# Altium PCB PCB1.PcbDoc (part 1 of 2)
Units mm, origin at the board's own origin, x right, y up, seen from the top; angles counter-clockwise.
Board outline 450.34 x 151.61 mm, 2 copper layers (Top Layer, Bottom Layer); 123 components, 109 nets, 481 pads, 178 vias.
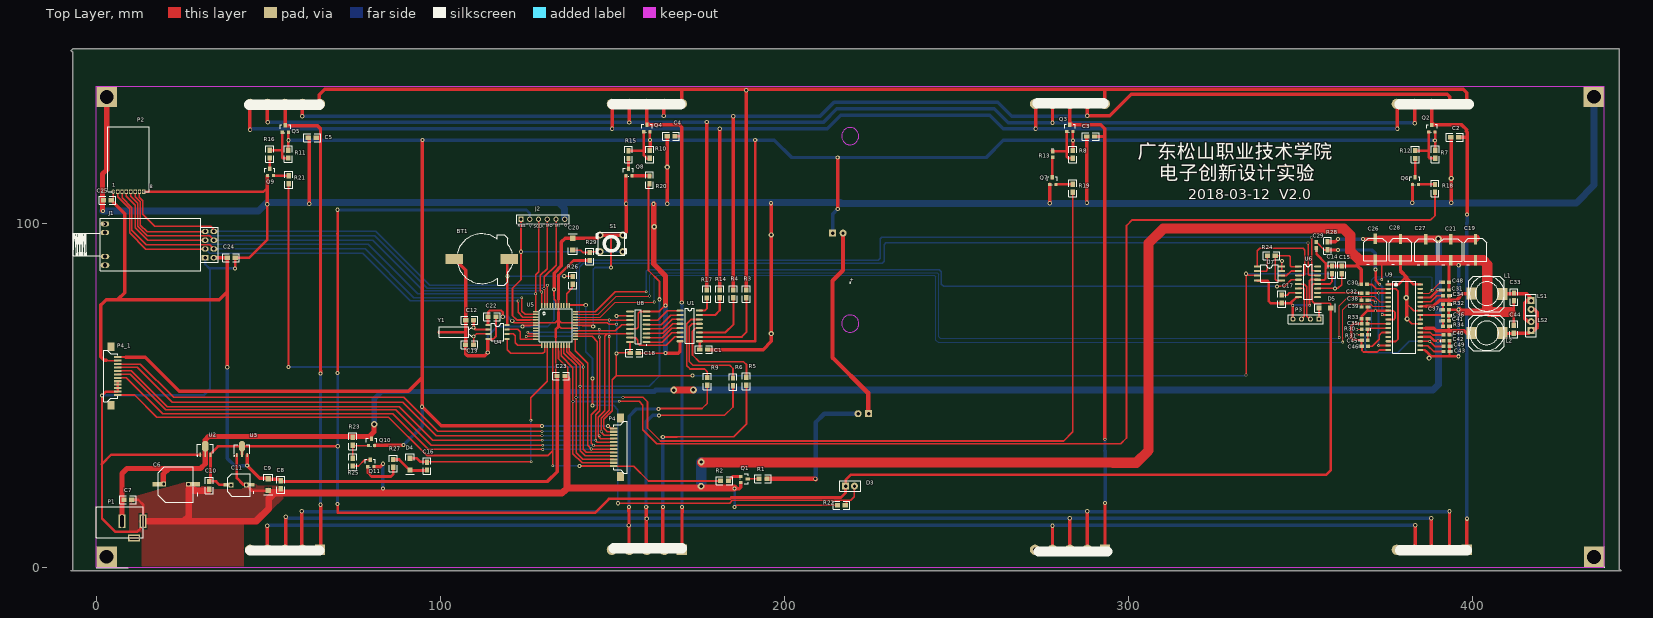
[diagram p0: Top Layer view]
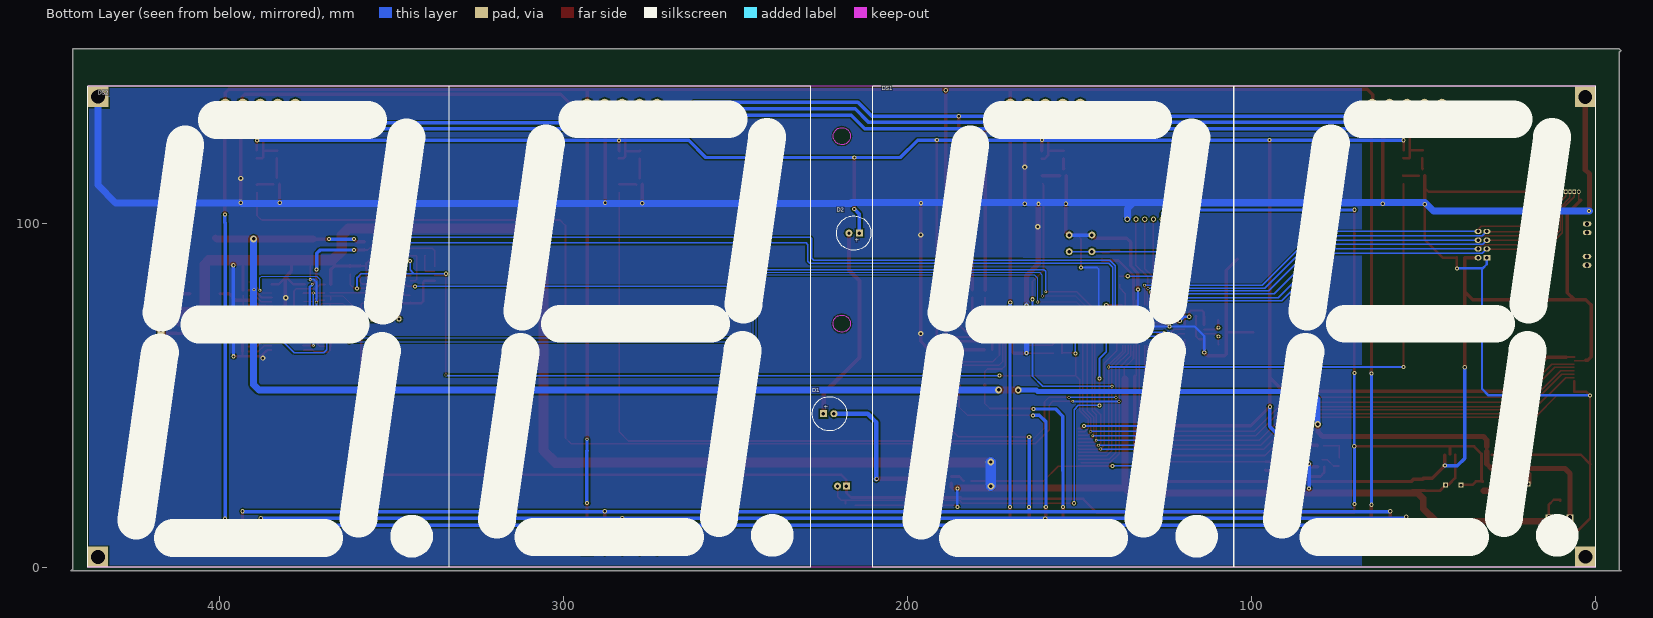
[diagram p1: Bottom Layer view, seen from below]

## Layer stack, top to bottom
Top Layer: signal copper 0.0356
Dielectric: dielectric 0.32, FR-4, Dk 4.8
Bottom Layer: signal copper 0.0356

## Board outline
-6.793,-0.991 -6.793,149.657 -7.275,150.139 -6.793,150.622 442.584,150.622 442.584,-0.508 443.067,-0.991 -7.275,-0.991

## Design rules (kind name [scope] priority, off if disabled: settings)
Clearance [All] p1: gap=0.254
PolygonConnect [All] p1: connectstyle=Relief reliefconductorwidth=0.254 reliefentries=4 polygonreliefangle="90 Angle"
RoutingVias [All] p1: holewidth=0.6 width=1.2 viastyle="Through Hole" minholewidth=0.5 minwidth=0.8 maxholewidth=1 maxwidth=2
SilkscreenOverComponentPads [IsPad] p1: minsilkscreentomaskgap=0.254
SolderMaskExpansion [All] p1: expansion=0.102
Width [All] p1: maxlimit=3 minlimit=0.254 preferedwidth=0.762 minimp=50.000000 maximp=50.000000 favimp=50.000000
27 further rules are at their usual default settings.

## Components (designator, comment, footprint, x,y, rotation, side; value= is the part's Value field where it differs from the comment)
BT1 "Battery" 1220电池底座 112.054,89.611 r0 top
C1 "0.1" 0805 175.438,63.297 r0 top
C2 "0.1" 0805 393.613,124.943 r0 top
C3 "0.1" 0805 287.847,125.197 r0 top
C4 "0.1" 0805 165.953,125.247 r0 top
C5 "0.1" 0805 61.686,124.866 r0 top
C6 "Cap Pol1" ?#1 28.259,18.872 r90 top
C7 "Cap Semi" 0805 10.403,19.66 r180 top
C8 "Cap Semi" 0805 53.659,22.86 r90 top
C9 "Cap Pol1" 1206 50.027,25.781 r180 top
C10 "Cap Semi" 0805 32.933,22.682 r90 top
C11 "Cap Pol1" ?#2 44.82,20.676 r90 top
C12 "Cap" 0805 107.406,71.806 r0 top
C13 "Cap" 0805 107.355,64.719 r0 top
C14 "1u" 0805 359.105,85.293 r90 top
C15 "1u" 0805 361.95,85.293 r90 top
C16 "Cap Semi" 0805 96.153,28.296 r90 top
C17 "1u" 0805 344.5,79.121 r270 top
C18 "0.1" 0805 157.531,62.281 r180 top
C19 "100U/35V" 220UF16V贴片 397.485,89.002 r0 top
C20 "" 1206 138.47,92.227 r0 top
C21 "Cap Pol1" 220UF16V贴片 390.271,88.951 r0 top
C22 "0.1" 0805 113.908,72.796 r0 top
C23 "0.1" 0805 133.949,55.601 r0 top
C24 "0.1" 0805 38.125,90.018 r0 top
C25 "0.1" 0805 4.445,106.655 r180 top
C26 "Cap Pol1" 220UF16V贴片 368.376,89.103 r0 top
C27 "Cap Pol1" 220UF16V贴片 383.083,88.951 r0 top
C28 "Cap Pol1" 220UF16V贴片 375.691,89.052 r0 top
C29 "0.1" 0603 354.584,93.675 r90 top
C30 "0.1" 0603 368.452,82.22 r0 top
C31 "0.1" 0603 392.227,80.594 r0 top
C32 "0.1" 0603 368.529,79.705 r0 top
C33 "0.1" 0805 411.963,79.731 r270 top
C34 "0.1" 0603 392.201,78.994 r180 top
C35 "0.1" 0603 368.579,70.79 r0 top
C36 "0.1" 0603 392.227,73.152 r180 top
C37 "0.1" 0603 392.201,74.879 r0 top
C38 "0.1" 0603 368.503,77.648 r180 top
C39 "0.1" 0603 368.529,75.667 r180 top
C40 "0.1" 0603 392.328,67.539 r180 top
C41 "0.1" 0603 392.201,71.628 r0 top
C42 "0.1" 0603 392.354,65.811 r0 top
C43 "0.1" 0603 392.354,62.738 r180 top
C44 "0.1" 0805 411.937,70.333 r270 top
C45 "0.1" 0603 368.656,65.964 r0 top
C46 "0.1" 0603 368.681,64.262 r0 top
C48 "0.1" 0603 392.227,82.829 r0 top
C49 "0.1" 0603 392.354,64.237 r180 top
D1 "LED0" LED#1 223.941,44.653 r180 bottom
D2 "LED0" LED#2 214.365,97.13 r0 bottom
D3 "Photo Sen" 2排针 217.819,23.622 r0 top
D4 "1N4148" 1206 91.226,31.699 r180 top
D5 "SS14" 1206 355.321,75.336 r270 top
DS1 "Dpy Amber-CA" 5英寸数码管 170.194,5.131 r180 bottom
DS2 "Dpy Amber-CA" 5英寸数码管 398.261,5.131 r180 bottom
J1 "无线" 无线模块 31.699,89.992 r90 top
J2 "Header 6" HDR1X6 123.484,101.168 r0 top
L1 "220" CDRH104 404.089,79.553 r0 top
L2 "220" CDRH104 404.089,68.148 r0 top
LS1 "8Ω/10W" 2排针 416.941,77.521 r270 top
LS2 "8Ω/10W" 2排针 416.941,68.859 r90 top
P1 "Header 2" 电源插头 13.629,13.411 r0 top
P2 "nrf24l01" 24L01 5.004,109.144 r0 top
P3 "USB" HDR1X4 355.346,72.136 r180 top
P4 "Header 12" FPC-12P1MM 150.393,40.411 r270 top
P4_1 "Header 12" FPC-12P1MM 6.299,50.089 r90 top
Q1 "9013" 9013贴片（专用） 189.332,25.679 r270 top
Q2 "AO3401" SOP-23 387.212,126.517 r0 top
Q3 "AD3401" SOP-23 282.031,126.619 r0 top
Q4 "AO3401" SOP-23 159.145,126.568 r0 top
Q5 "AO3401" SOP-23 54.091,126.441 r0 top
Q6 "9013" 9013贴片（专用） 383.25,113.309 r0 top
Q7 "9013" 9013贴片（专用） 277.865,113.309 r0 top
Q8 "9013" 9013贴片（专用） 154.726,115.824 r0 top
Q9 "9013" 9013贴片（专用） 50.535,115.849 r0 top
Q10 "AO3401" SOP-23 79.135,35.382 r0 top
Q11 "9013" 9013贴片（专用） 79.72,31.293 r0 top
R1 "Res2" 0805 194.92,25.806 r180 top
R2 "Res2" 0805 181.458,25.171 r0 top
R3 "100" 0805 188.965,80.62 r270 top
R4 "100" 0805 185.155,80.62 r270 top
R5 "100" 0805 188.965,52.959 r90 top
R6 "100" 0805 185.053,52.781 r90 top
R7 "20K" 0805 389.066,121.183 r270 top
R8 "20K" 0805 283.783,121.133 r270 top
R9 "100" 0805 177.56,52.908 r90 top
R10 "20K" 0805 160.873,121.158 r270 top
R11 "20K" 0805 55.869,121.209 r270 top
R12 "24K" 0805 383.275,121.107 r270 top
R13 "24K" 0603 277.927,119.99 r270 top
R14 "100" 0805 181.243,80.62 r270 top
R15 "24K" 0805 154.7,121.056 r270 top
R16 "24K" 0805 50.459,121.209 r270 top
R17 "100" 0805 177.459,80.569 r270 top
R18 "2k7" 0805 389.041,111.252 r270 top
R19 "2k7" 0805 283.783,111.303 r270 top
R20 "2k7" 0805 160.796,113.741 r270 top
R21 "2k7" 0805 55.945,113.792 r270 top
R22 "" 0805 215.392,18.009 r0 top
R23 "Res2" 0805 74.614,35.509 r90 top
R24 "100R" 0805 340.36,90.576 r0 top
R25 "Res2" 0805 74.563,29.464 r90 top
R26 "20K" 0805 138.506,82.271 r90 top
R27 "Res2" 0805 86.349,29.083 r90 top
R28 "10" 0805 357.81,94.59 r270 top
R29 "" 0805 143.448,89.205 r90 top
R30 "470" 0603 368.605,69.139 r180 top
R31 "470" 0603 368.63,67.589 r180 top
R32 "10" 0603 392.201,76.403 r180 top
R33 "39K" 0603 368.529,72.263 r180 top
R34 "10" 0603 392.227,70.079 r180 top
S1 "" 4脚按键 153.049,91.491 r90 top
U1 "ULN2003A" SO-16 169.697,74.6 r0 top
U2 "HT7550" SOT89L 31.739,34.417 r90 top
U3 "HT7333" SOT89L 42.407,34.366 r90 top
U4 "DS1302（贴片）" SOP8（DS1302） 119.953,70.663 r0 top
U5 "ATMEGA 16" 44贴片（顶层） 131.256,71.349 r0 top
U6 "JQ8400-FL" SO-16 349.326,87.401 r0 top
U7 "W25QXX" W25 340.919,85.344 r0 top
U8 "MC74HC595AD" 751B-05_N 157.531,69.926 r180 top
U9 "TDA8932BT" SOIC127P1047-32L 380.086,72.695 r0 top
Y1 "32.768" 32K 109.717,67.107 r90 top

## Footprints (in the part's own frame and the unit in brackets; to place one, negate y for a bottom-side part, rotate by r counter-clockwise, add the part's x,y. Pads: shape width x height; smd on the part's side, far side on the other; paste and mask are expansions set on the pad)
2排针 [mil]
  rect 80x80 hole 39.37: 1(0,0)
  round 80 hole 39.37: 2(100,0)
  silkscreen extent -70,-60 170,60
4脚按键 [mm]
  round 2 hole 1: 1(0.254,6.604) 1(0.254,0) 2(5.08,6.604) 2(5.08,0)
  silkscreen extent -0.76,-1.02 5.84,7.62
5英寸数码管 [mm]
  rect 3x3 hole 1.2: 1(0,0) 11(105.134,0)
  round 3 hole 1.2: 2(5.08,0) 3(10.16,0) 4(15.24,0) 5(20.32,0) 6(20.32,129.54) 7(15.24,129.54) 8(10.16,129.54) 9(5.08,129.54) 10(0,129.54) 12(110.214,0) 13(115.294,0) 14(120.374,0) 15(125.454,0) 16(125.454,129.54) 17(120.374,129.54) 18(115.294,129.54) 19(110.214,129.54) 20(105.134,129.54)
  silkscreen extent -39.98,-5.08 170.16,134.65
24L01 [mm]
  oct 1x1.2 hole 0.7: 1(0,0)
  rect 1x1.2 hole 0.7: 2(1.27,0) 3(2.54,0) 4(3.81,0) 5(5.08,0) 6(6.35,0) 7(7.62,0) 8(8.89,0)
  silkscreen extent -1.56,-0.05 10.44,18.95
32K [mm]
  oval 1x1.2 hole 0.6: 1(0,0) 2(2.54,0)
  rect 1x0.5 smd: 3(1.168,10.185)
  silkscreen extent -0.25,0.53 2.77,10.01
44贴片（顶层） [mm]
  rect 1.5x0.4 smd: 1(-3.492,2.971) 2(-3.492,2.171) 3(-3.492,1.371) 4(-3.492,0.571) 5(-3.492,-0.229) 6(-3.492,-1.029) 7(-3.492,-1.829) 8(-3.492,-2.629) 9(-3.492,-3.429) 10(-3.492,-4.229) 11(-3.492,-5.029) 23(8.039,-5.029) 24(8.039,-4.229) 25(8.039,-3.429) 26(8.039,-2.629) 27(8.039,-1.829) 28(8.064,-1.029) 29(8.039,-0.229) 30(8.039,0.571) 31(8.039,1.371) 32(8.039,2.171) 33(8.039,2.971)
  rect 0.4x1.5 smd: 12(-1.727,-6.795) 13(-0.927,-6.795) 14(-0.127,-6.795) 15(0.673,-6.795) 16(1.473,-6.795) 17(2.273,-6.795) 18(3.073,-6.795) 19(3.873,-6.795) 20(4.673,-6.795) 21(5.473,-6.795) 22(6.273,-6.795) 34(6.273,4.762) 35(5.473,4.762) 36(4.673,4.762) 37(3.873,4.762) 38(3.073,4.762) 39(2.273,4.762) 40(1.473,4.762) 41(0.673,4.762) 42(-0.127,4.762) 43(-0.927,4.762) 44(-1.727,4.762)
  silkscreen extent -2.5,-5.8 7.07,3.8
220UF16V贴片 [mm]
  rect 1x3 smd: 1(3.302,6.35) 2(3.302,0.254)
  silkscreen extent 0,-1.02 6.6,6.6
0603 [mm] "Chip Capacitor; Body 1.6 x 0.8 mm (LxW typ)"
  rect 1.1x1 smd: 1(-0.85,0) 2(0.85,0)
  silkscreen extent -1.7,-0.4 -1.7,0.4
751B-05_N [mm] "SOIC, 16-Leads, Body 9.9x3.9mm, Pitch 1.27mm, IPC Medium Density"
  oval 2.2x0.6 smd: 1(-2.4,4.445) 2(-2.4,3.175) 3(-2.4,1.905) 4(-2.4,0.635) 5(-2.4,-0.635) 6(-2.4,-1.905) 7(-2.4,-3.175) 8(-2.4,-4.445) 9(2.4,-4.445) 10(2.4,-3.175) 11(2.4,-1.905) 12(2.4,-0.635) 13(2.4,0.635) 14(2.4,1.905) 15(2.4,3.175) 16(2.4,4.445)
  silkscreen extent -2.53,-5 0.9,5.42, body extent -2,-5 2,5, height 1.75
0805 [mil]
  rect 60x50 smd: 1(0,0) 2(90,0)
  silkscreen extent -50,-45 140,45
1206 [mil]
  rect 60x60 smd: 1(0,0) 2(0,135)
  silkscreen extent -50,-50 50,185
1220电池底座 [mm]
  rect 5x3 smd: 1(8,0) 2(-8,0)
  silkscreen extent -7.11,-7.62 9.02,7.3
9013贴片（专用） [mil]
  rect 36x36 smd: 1(40,-80) 2(-30,-80)
  rect 36x50 smd: 3(-2,0)
  silkscreen extent -60,-85 55,5
CDRH104 [mm]
  rect 3x3.5 smd: 1(-4.4,0) 2(4.5,-0.1)
  silkscreen extent -5.2,-5.2 5.1,5.1
FPC-12P1MM [mm]
  rect 2.5x2 smd: 0(-3,2) 0(14,2)
  rect 0.6x2.15 smd: 1(0,0) 2(1,0) 3(2,0) 4(3,0) 5(4,0) 6(5,0) 7(6,0) 8(7,0) 9(8,0) 10(9,0) 11(10,0) 12(11,0)
  silkscreen extent -2,0 13,4
HDR1X4 [mm] "Connector; Header; 4 Position"
  rect 1.5x1.5 hole 0.9: 1(0,0)
  round 1.5 hole 0.9: 2(2.54,0) 3(5.08,0) 4(7.62,0)
  silkscreen extent -1.27,-1.27 8.89,1.27
HDR1X6 [mm] "Connector; Header; 6 Position"
  rect 1.5x1.5 hole 0.9: 1(0,0)
  round 1.5 hole 0.9: 2(2.54,0) 3(5.08,0) 4(7.62,0) 5(10.16,0) 6(12.7,0)
  silkscreen extent -1.27,-1.27 13.97,1.27
LED#1 [mil]
  rect 80x80 hole 39.37: 1(-20,0)
  round 80 hole 39.37: 2(100,0)
  silkscreen extent -147,-197 247,197
LED#2 [mil]
  rect 80x80 hole 39.37: 1(-15,0)
  round 80 hole 39.37: 2(105,0)
  silkscreen extent -147,-197 247,197
SO-16 [mil]
  oval 80x24 smd: 1(0,0) 2(0,-50) 3(0,-100) 4(0,-150) 5(0,-200) 6(0,-250) 7(0,-300) 8(0,-350) 9(220,-350) 10(220,-300) 11(220,-250) 12(220,-200) 13(220,-150) 14(220,-100) 15(220,-50) 16(220,0)
  silkscreen extent 60,-375 160,25
SOIC127P1047-32L [mm] "SOIC, 32-Leads, Body 20.8x7.5mm, Pitch 1.27mm, IPC High Density"
  oval 1.7x0.6 smd: 1(-4.65,9.525) 2(-4.65,8.255) 3(-4.65,6.985) 4(-4.65,5.715) 5(-4.65,4.445) 6(-4.65,3.175) 7(-4.65,1.905) 8(-4.65,0.635) 9(-4.65,-0.635) 10(-4.65,-1.905) 11(-4.65,-3.175) 12(-4.65,-4.445) 13(-4.65,-5.715) 14(-4.65,-6.985) 15(-4.65,-8.255) 16(-4.65,-9.525) 17(4.65,-9.525) 18(4.65,-8.255) 19(4.65,-6.985) 20(4.65,-5.715) 21(4.65,-4.445) 22(4.65,-3.175) 23(4.65,-1.905) 24(4.65,-0.635) 25(4.65,0.635) 26(4.65,1.905) 27(4.65,3.175) 28(4.65,4.445) 29(4.65,5.715) 30(4.65,6.985) 31(4.65,8.255) 32(4.65,9.525)
  silkscreen extent -4.77,-10.45 3.4,10.5, body extent -3.8,-10.47 3.8,10.47, height 2.64
SOP8（DS1302） [mm]
  rect 1.5x0.55 smd: 1(-6.096,-0.254) 2(-6.096,-1.524) 3(-6.096,-2.794) 4(-6.096,-4.318) 5(-0.508,-4.318) 6(-0.508,-2.794) 7(-0.508,-1.524) 8(-0.508,-0.254)
  silkscreen extent -5.08,-4.83 -1.52,0.25
SOP-23 [mil]
  rect 36x36 smd: 1(0,0) 2(70,0)
  rect 36x50 smd: 3(35,80)
  silkscreen extent -23,-5 95,86
SOT89L [mm] "SOT89, 3-Leads, Body 4.5x2.4 mm, Pitch 1.5mm, Lead Span 4.1mm, IPC High Density"
  rect 1.2x0.5 smd: 1(-1.7,1.5) 3(-1.7,-1.5)
  rect 1.6x0.5 smd: 2(-1.5,0)
  oct 3x1.8 smd: 2(0.8,0)
  silkscreen extent -2.07,-2.3 1.3,2.42, body extent -1.3,-2.3 1.3,2.3, height 1.6
W25 [mm]
  rect 2x0.55 smd: 1(-3.494,2.032) 2(-3.494,0.762) 3(-3.494,-0.508) 4(-3.494,-2.032) 5(3.494,-2.032) 6(3.494,-0.508) 7(3.494,0.762) 8(3.494,2.032)
  silkscreen extent -2.48,-2.47 2.51,2.53
无线模块 [mm]
  oval 1.5x2.5 hole 1.2: 0(-2.2,29.1) 0(0.34,29.1) 0(7.29,29.13) 0(9.83,29.13)
  rect 1.5x2.032 hole 1: 1(0,0)
  oval 1.5x2.032 hole 1: 2(0,-2.54) 3(2.54,0) 4(2.54,-2.54) 5(5.08,0) 6(5.08,-2.54) 7(7.62,0) 8(7.62,-2.54)
  silkscreen extent -3.81,-3.81 11.43,38.38
电源插头 [mm]
  rect 2x4 hole 1 slot 3.5 at 90 deg: 1(0,0) 2(-6.096,0)
  rect 3.5x2 hole 1 slot 3 at 0 deg: 3(-2.545,-4.85)
  silkscreen extent -13.54,-4.85 0.06,4.15
?#1 [mm]
  rect 1.3x4 smd: 1(5.334,9.906) 2(5.334,0)
  rect 1.4x1.4 hole 0.8: 1(5.359,8.611) 2(5.283,1.372)
  silkscreen extent 0,-1.27 10.41,10.16
?#2 [mm]
  rect 1.4x1.4 hole 0.8: 1(3.226,5.613) 2(3.277,1.143)
  rect 1x3 smd: 1(3.302,6.35) 2(3.302,0.254)
  silkscreen extent 0,-1.02 6.6,6.6

## Part data
BT1: "Multicell Battery"
C1 C2 C3 C4 C5 C18 C22 C23 C24 C25 C29 C30 C31 C32 C33 C34 C35 C36 C37 C38 C39 C40 C41 C42 C43 C44 C45 C46 C48 C49: library part Cap, "Capacitor"
C6 C9 C11 C21 C26 C27 C28: "Polarized Capacitor (Radial)"
C7 C8 C10 C16: "Capacitor (Semiconductor SIM Model)"
C12 C13: "Capacitor"
C14 C15 C17: library part CAP, "Capacitor"
C19: library part "Cap Pol1", "Polarized Capacitor (Radial)"
C20: library part "Cap Pol3", "Polarized Capacitor (Surface Mount)"
D1 D2: "Typical INFRARED GaAs LED"
D3: "Photosensitive Diode"
D4: library part "Diode 1N4007", "1 Amp General Purpose Rectifier"
D5: library part DIODE, "Diode"
DS1 DS2: "7.62 mm Black Surface Orange 7-Segment Display: CA, RH DP"
J1: library part "Header 4X2", "Header, 4-Pin, Dual row"
J2: "Header, 6-Pin"
L1 L2: library part "Inductor Iron", "Magnetic-Core Inductor"
LS1 LS2: library part Speaker, "Loudspeaker"
P1: "Header, 2-Pin"
P2: library part "Header 8", "Header, 8-Pin"
P3: library part "Header 4", "Header, 4-Pin"
P4 P4_1: "Header, 12-Pin"
Q1 Q6 Q7 Q8 Q9 Q11: library part 2N3904, "NPN General Purpose Amplifier"
Q2 Q3 Q4 Q5 Q10: library part PMOS-2, "P-Channel Power MOSFET"
R1 R2 R23 R25 R27: "Resistor"
R3 R4 R5 R6 R7 R8 R9 R10 R11 R12 R13 R14 R15 R16 R17 R18 R19 R20 R21 R22 R26 R28 R29 R30 R31 R32 R33 R34: library part Res2, "Resistor"
R24: library part Res1
S1: library part SW-PB, "Switch"
U1: "High-Voltage, High-Current Darlington Array"
U2 U3: library part HT7530-1, "3.0V 100mA Low Power,  Low Dropout Voltage (LDO) Regulator"
U4: library part DS1302, "Trickle Charge Timekeeping Chip"
U6: library part W6082
U8: "8-Bit Serial-Input/Serial or Prallel-Output Shift Register with Latched 3-State Outputs"
U9: library part TDA8932
Y1: library part XTAL, "Crystal Oscillator"

## Free pads (board coordinates)
  rect 6x6 hole 4: 0(3.113,136.703) 1(3.062,3.073) 2(435.254,3.048) 3(435.193,136.728)

## Via types
v1: diameter 1.2, hole 0.6, Top Layer to Bottom Layer, 71 vias
v2: diameter 0.8, hole 0.5, Top Layer to Bottom Layer, 52 vias
v3: diameter 1.27, hole 0.711, Top Layer to Bottom Layer, 37 vias
v4: diameter 1.5, hole 0.711, Top Layer to Bottom Layer, 8 vias
v5: diameter 2, hole 1, Top Layer to Bottom Layer, 6 vias
v6: diameter 0.8, hole 0.6, Top Layer to Bottom Layer, 4 vias

## Nets (pads, with @x,y where several pads share a name; then routed paths per layer and width w, separated by ;. In a path a pad name is that pad's centre, name@x,y a point inside that pad or via, vN(x,y) a via of type N, cw(c..) or ccw(c..) an arc to the next point about the centre after c; other vN are vias at no path point)
3.3V: C8.2 C9.1 C15.1 C18.2 C22.1 C23.1 C24.1 C25.1 J1.2 P2.1 P4.2 P4_1.11 R29.1 U3.3 U4.1 U5.5 U5.17 U5.27 U5.29 U5.38 U6.11 U7.3 U7.7 U7.8 U8.10 U8.16 | length 689.6
  Top Layer w0.4: 3.132,60.089 P4_1.11@6.299,60.089 ; 133.528,63.221 133.542,63.235 133.542,66.929 ; 137.516,71.12 U5.29@139.295,71.12 139.471,71.12 147.65,71.12 ; 137.643,69.52 U5.27@139.295,69.52 U5.27@139.471,69.52 ; 147.396,71.12 148.59,71.12 149.047,70.663 v2(151.206,70.663) ; P4.2@150.47,39.395 148.463,39.395 147.472,40.386 147.472,43.002 149.936,45.466 149.936,54.508 151.181,55.753 ; v1@151.257,73.101 U8.10@155.131,73.101 ; C18.2@155.245,62.332 155.131,62.332 151.333,62.332 v1(151.181,62.179) 151.181,55.753 ; v1(173.304,55.753) 151.181,55.753 ; v2@334.137,55.905 v1@334.137,85.268 ; v1@334.289,85.268 334.721,84.836 U7.3@337.425,84.836 U7.3@337.337,84.836 ; U7.3@337.425,84.912 U7.3@337.515,84.912 ; U6.11@354.94,81.051 v1(359.943,81.051) 360.807,81.051 361.95,82.194 C15.1@361.95,85.293
  Top Layer w0.5: C25.1@5.004,106.655 P2.1@5.004,109.144 ; J1.2@34.112,89.992 34.138,90.018 34.239,90.018 J1.2@34.366,90.018 ; C24.1@38.125,89.941 C24.1@38.125,90.018 ; v3(120.918,71.603) 121.426,71.095 126.263,71.095 ; U5.5@127.764,71.095 U5.5@127.929,71.095 ; U7.7@344.449,86.106 344.526,86.182 v1(344.526,89.052)
  Top Layer w0.508: 126.264,71.12 U5.5@127.764,71.12 133.39,71.12 134.253,71.984 ; 133.542,63.235 133.542,55.626 C23.1@133.695,55.474 ; 134.33,74.219 U5.38@134.33,76.111 134.33,78.257 ; 134.38,70.256 135.117,69.52 137.643,69.52 ; 134.38,71.907 135.168,71.12 137.516,71.12 ; R29.1@143.448,89.205 R29.1@143.448,89.23
  Top Layer w0.6: U8.16@155.131,65.481 155.131,62.332 155.131,62.268 155.181,62.217 C18.2@155.194,62.205
  Top Layer w0.635: C22.1@113.959,72.517 113.959,74.193 114.441,74.676 117.667,74.676 118.175,74.168 v3(118.175,72.822)
  Top Layer w0.8: U4.1@113.908,70.536 C22.1@113.908,72.796 ; 133.542,66.929 133.542,69.088 134.38,69.926 134.38,70.256 134.38,71.907 134.38,74.219 ; 134.33,78.257 134.355,78.283 ; 134.355,77.902 134.355,78.283 ; R29.1@143.448,89.205 138.698,89.205 134.355,84.861 134.355,78.283 ; R29.1@143.55,89.205 R29.1@143.55,89.383
  Top Layer w1: 1.473,76.327 1.422,76.276 1.422,61.239 2.438,60.223 2.997,60.223 ; 1.499,76.302 3.023,77.826 35.839,77.826 38.125,80.112 ; C25.1@4.445,106.655 8.306,102.794 8.306,79.832 6.375,77.902 ; J1.2@34.214,89.865 34.366,90.018 C24.1@38.125,90.018 ; v1(38.125,58.15) 38.125,80.112 ; C24.1@38.125,89.941 38.125,80.112 ; U3.3@43.907,32.666 43.907,29.575 47.6,25.883 C9.1@50.027,25.883 ; C9.1@50.002,25.908 C9.1@50.027,25.883 ; C9.1@50.165,25.883 C9.1@50.027,25.883 ; C23.1@133.949,55.601 133.949,27.853 131.064,24.968 53.71,24.968 53.024,25.654 50.256,25.654 C9.1@50.027,25.883
  Bottom Layer w0.4: v1(151.181,62.179) 151.232,62.23 151.232,70.129 151.206,70.155 v2(151.206,70.663) ; v2@151.232,70.663 v1(151.232,73.076) ; v1(173.304,55.753) 333.959,55.753 v2(334.112,55.905) v2@334.137,55.931
  Bottom Layer w0.5: v1(334.137,85.319) 358.826,85.319 359.943,84.201 v1(359.943,81.051) ; 343.433,85.344 344.526,86.436 v1(344.526,89.052)
  Bottom Layer w0.762: v3(118.175,72.822) 119.699,72.822 v3(120.918,71.603)
  Bottom Layer w1: v1(38.125,58.15) 38.125,31.648 40.284,29.489 v1@43.917,29.489 ; v1@43.764,29.515 43.612,29.667 v1@43.891,29.667 ; v1(43.917,29.616) v1@43.917,29.667
5V: C10.2 C11.1 C14.1 D3.1 D5.2 J2.2 U2.3 U3.2 U6.12 | length 563.9
  Top Layer w0.4: U6.12@355.168,82.347 353.797,82.347 353.373,81.923 353.373,77.386 353.974,76.784 358.445,76.784 358.75,76.479 358.75,75.616 D5.2@358.75,75.336 D5.2@358.75,75.184 ; D5.2@358.673,75.311 D5.2@358.673,75.336
  Top Layer w0.5: U6.12@354.914,82.321 358.419,82.321 359.105,83.007 C14.1@359.105,85.268
  Top Layer w0.6: U6.12@354.838,82.321 U6.12@354.914,82.321 U6.12@355.168,82.321 ; C14.1@358.851,85.293 C14.1@358.851,85.395 ; C14.1@359.105,85.268 C14.1@359.105,85.293
  Top Layer w0.762: C10.2@32.933,24.968 C10.2@33.085,24.968 ; C10.2@33.009,25.019 33.239,25.249 U2.3@33.239,32.717 33.239,32.985 35.408,35.154 U3.2@42.24,35.154 ; C10.2@33.085,25.019 34.889,25.019 35.93,23.978 C11.1@38.47,23.978 ; U3.2@42.24,35.103 U3.2@42.28,35.103 ; U3.2@42.407,32.866 U3.2@42.407,35.166 ; U3.2@42.407,35.179 U3.2@42.407,35.166 ; 68.963,35.166 U3.2@42.407,35.166 ; 68.975,35.154 v3(70.195,35.154) ; 70.169,96.901 70.195,96.926 ; v1(70.18,18.39) 70.18,15.875 144.907,15.875 148.971,19.939 184.188,19.939 184.566,20.317 216.43,20.317 217.754,21.641 D3.1@217.754,23.597 ; v1(70.195,103.911) 70.195,96.926 ; v1(70.206,56.49) 70.195,56.49 70.195,96.926 ; D3.1@217.769,23.571 D3.1@217.819,23.622 ; D3.1@217.819,23.597 D3.1@217.819,23.622 ; D3.1@217.819,23.698 D3.1@217.819,23.673 ; D3.1@217.83,23.622 D3.1@217.83,23.673 ; D5.2@358.75,75.336 358.75,28.27 357.454,26.975 219.405,26.975 217.819,25.389 D3.1@217.819,23.673 ; D3.1@217.819,23.622 D3.1@217.819,23.673
  Bottom Layer w0.762: v1(70.18,18.39) 70.169,18.401 70.169,34.722 70.22,34.773 70.22,51.232 ; 70.18,51.232 70.206,51.257 v1(70.206,56.49) ; v1(70.195,103.911) 70.245,103.861 125.008,103.861 126.024,102.845 J2.2@126.024,101.168
14V: C6.1 C7.2 C19.1 C21.1 C26.1 C27.1 C28.1 C31.1 C42.1 P1.2 Q10.3 R23.2 R28.1 U2.2 U9.20 U9.29 | length 525.2
  Top Layer w0.7: U9.20@384.736,66.98 387.706,66.98 388.874,65.811 C42.1@391.504,65.811 C42.1@391.541,65.811 ; U9.29@384.736,78.41 387.731,78.41 389.89,80.569 C31.1@391.377,80.569
  Top Layer w1: P1.2@7.66,12.827 P1.2@7.66,13.411 ; C6.1@19.649,24.232 C6.1@19.649,24.613 ; U2.2@31.648,34.9 U2.2@31.648,35.217 ; U2.2@31.739,32.917 U2.2@31.739,35.217 ; R28.1@357.81,94.59 R28.1@358.013,94.59 ; R28.1@358.013,94.615 360.07,94.615 v1(360.858,95.402) ; v1(368.097,95.402) 372.593,95.402 372.618,95.377
  Top Layer w1.27: C28.1@379.019,95.58 379.247,95.352 C28.1@379.451,95.352 ; C19.1@400.787,95.453 400.812,95.453 400.863,95.453 C19.1@400.888,95.428
  Top Layer w1.5: P1.2@7.533,13.411 7.533,27.243 9.017,28.727 21.158,28.727 ; C6.1@19.533,24.613 19.533,27.102 21.158,28.727 ; U2.2@31.725,33.655 31.725,30.124 30.328,28.727 21.158,28.727 ; U2.2@31.739,35.217 31.739,37.048 32.69,37.998 34.595,37.998 ; 34.595,38.024 79.426,38.024 80.797,39.395 v5@80.797,41.554 ; v5@80.797,41.656 v5@80.797,41.554 ; v5(80.848,41.605) v5@80.797,41.554
  Top Layer w2: v5@167.869,51.562 v5(173.558,51.562) ; 372.618,95.453 386.385,95.453 v5(389.992,95.453) 393.573,95.453 399.821,95.453 C19.1@400.787,95.453 ; C19.1@400.812,95.453 C19.1@401.041,95.682
  Bottom Layer w1: v1(360.858,95.402) v1(368.097,95.402)
  Bottom Layer w1.5: v5(80.848,41.605) 80.848,48.946 82.982,51.079 162.179,51.079 ; 162.636,51.537 v5(167.843,51.537)
  Bottom Layer w2: v5(173.558,51.562) 310.693,51.562 ; 309.753,51.587 388.493,51.587 389.992,53.086 389.992,80.645 v5(389.992,95.453)
  other v2: 389.915,65.761 389.89,80.645
A: DS1.7 DS1.17 DS2.7 DS2.17 R17.1 | length 408.8
  Top Layer w1: DS1.17@49.773,134.823 49.773,129.438 v3(49.875,129.337) ; v1(154.929,129.261) 154.954,129.286 DS1.7@154.954,134.671 ; v3(177.433,129.413) 177.459,129.413 R17.1@177.459,80.569 ; DS2.17@277.84,134.671 277.89,134.62 v3(277.89,129.159) ; v3(383.123,129.083) DS2.7@383.123,134.772
  Bottom Layer w1: v3(49.875,129.337) 49.925,129.388 211.368,129.388 215.254,133.274 222.123,133.274 222.798,133.274 260.985,133.274 265.074,129.184 277.865,129.184 v3(277.89,129.159) 383.046,129.159 v3(383.123,129.083) ; DS1.17@49.9,134.671 DS1.17@49.9,134.823 ; DS2.7@382.945,134.62 DS2.7@382.945,135.585
B: DS1.6 DS1.16 DS2.6 DS2.16 R14.1 | length 413.6
  Top Layer w1: DS1.16@44.642,134.722 44.642,127.254 v3(44.744,127.152) ; DS1.6@149.849,134.722 149.925,134.645 v3(149.925,127.457) ; R14.1@181.243,80.62 v3(181.243,127.457) ; DS2.16@272.81,134.722 272.963,134.569 v3(272.963,127.457) ; DS2.6@377.763,134.899 DS2.6@377.966,134.696 ; DS2.6@377.966,134.798 378.119,134.645 v3(378.119,127.432)
  Bottom Layer w1: v3(44.744,127.152) 45.049,127.457 v3(149.925,127.457) v3(181.243,127.457) 212.46,127.457 216.397,131.394 259.613,131.394 263.55,127.457 v3@272.898,127.457 ; v3@272.898,127.483 272.937,127.483 v3(272.963,127.457) 378.093,127.457 v3(378.119,127.432)
B0: P4.11 R18.2 U5.19 | length 375.1
  Top Layer w0.4: U5.19@135.13,64.554 135.13,61.492 138.557,58.064 v2(138.557,48.209) 138.557,33.071 141.249,30.378 P4.11@149.689,30.378
  Top Layer w0.5: v2(152.044,48.26) 157.785,48.26 158.877,47.168 158.877,40.005 162.916,35.966 297.739,35.966 299.39,37.617 299.39,99.314 301.041,100.965 387.68,100.965 ; 387.833,101.016 389.041,102.224 R18.2@389.041,108.966
  Bottom Layer w0.5: v2(138.557,48.209) 151.994,48.209 v2(152.044,48.26)
B1: P4.10 R19.2 U5.20 | length 269.2
  Top Layer w0.4: U5.20@135.929,64.554 135.929,62.241 139.497,58.674 139.497,33.274 141.351,31.42 P4.10@150.393,31.42 ; v2(153.137,49.378) 158.979,49.378
  Top Layer w0.5: 158.953,49.352 160.223,48.082 160.223,40.488 163.982,36.728 281.127,36.728 283.769,39.37 283.769,40.615 ; 283.783,40.615 R19.2@283.783,109.017
  Bottom Layer w0.4: v2(139.471,49.378) 148.895,49.378 v2(153.137,49.378)
B2: P4.9 R20.2 U5.21 | length 124.6
  Top Layer w0.4: U5.21@136.728,64.554 U5.21@136.728,64.567 ; U5.21@136.73,64.554 136.73,62.61 140.614,58.725 140.614,33.884 142.088,32.41 143.383,32.41 ; 143.383,32.411 P4.9@150.393,32.411
  Top Layer w0.5: R20.2@160.782,111.481 160.503,111.201 160.503,86.284 163.678,83.109 v1@163.678,78.003 ; v1(163.703,77.902) v1@163.703,78.003
  Bottom Layer w0.5: v2@140.335,52.603 v2@140.614,52.603 ; v2(140.589,52.629) v2@140.614,52.603 ; v1(163.703,77.902) 163.703,55.601 160.706,52.603 v2@140.614,52.603
B3: P4.8 R21.2 U5.22 | length 208.6
  Top Layer w0.4: U5.22@137.529,64.554 137.529,62.851 141.554,58.826 141.554,34.265 142.418,33.401 P4.8@150.393,33.401
  Top Layer w0.5: v1@55.945,58.307 R21.2@55.945,111.506
  Bottom Layer w0.5: 84.379,58.242 v1(55.88,58.242) v2(141.58,58.242)
B4: P4.7 P4_1.6 U5.23 | length 186.9
  Top Layer w0.4: P4_1.6@6.299,55.089 8.818,55.089 19.329,44.577 86.258,44.577 96.571,34.265 v2(129.769,34.265) ; U5.23@139.295,66.32 139.295,62.94 142.891,59.344 142.891,35.443 v2@143.942,34.392 ; v2@143.916,34.392 v2@143.942,34.392 ; v2@143.967,34.366 v2@143.942,34.392 ; P4.7@150.266,34.392 150.19,34.392 v2@143.942,34.392 ; P4.7@150.266,34.417 P4.7@150.47,34.417
  Bottom Layer w0.4: v2(129.769,34.265) 143.739,34.265 v2@143.84,34.366 ; v2@143.866,34.392 v2@143.84,34.366 ; v2(143.891,34.417) 143.942,34.366 v2@143.84,34.366
B5: P4.6 P4_1.7 U5.24 | length 191.2
  Top Layer w0.4: P4_1.7@6.299,56.089 9.951,56.089 20.269,45.771 70.866,45.771 71.12,45.771 87.122,45.771 97.434,35.458 v2(129.769,35.458) v2@129.819,35.458 ; U5.24@139.295,67.12 144.132,67.12 145.694,65.557 145.694,46.126 143.891,44.323 143.891,36.144 v2(144.551,35.484) 144.628,35.408 150.393,35.408 P4.6@150.546,35.408 ; P4.6@150.368,35.411 P4.6@150.393,35.411 ; P4.6@150.393,35.382 P4.6@150.52,35.382
  Bottom Layer w0.4: v2(129.769,35.458) 144.526,35.458 v2(144.551,35.484)
BUSY: U5.33 U6.4 | length 223.6
  Top Layer w0.4: U5.33@139.295,74.32 145.084,74.32 150.825,80.061 v2(159.868,80.061) ; v1(343.078,81.661) 343.129,81.712 345.364,81.712 347.243,83.591 U6.4@349.326,83.591
  Bottom Layer w0.4: v2@159.842,80.01 v2@159.88,80.048 ; v2@159.842,80.061 159.868,80.086 v2(159.868,80.061) ; v2@159.893,80.086 159.893,85.979 160.452,86.538 244.983,86.538 245.593,85.928 245.593,82.321 246.253,81.661 296.113,81.661 v1(343.078,81.661) v1@343.154,81.661
C: DS1.4 DS1.14 DS2.4 DS2.14 R9.1 | length 424.2
  Top Layer w0.5: v1@163.424,46.152 176.073,46.152 177.56,47.639 R9.1@177.56,52.908 ; v1@163.474,46.101 v1@163.551,46.025
  Top Layer w1: v3(49.773,12.065) 49.773,5.461 DS1.14@50.027,5.207 ; v3(154.827,12.192) v3@154.853,12.167 ; 154.838,16.358 154.838,17.495 v1(154.884,17.54) ; 154.853,16.358 v3@154.853,12.167 ; DS1.4@154.929,5.258 154.853,5.334 v3@154.853,12.167 ; v1(163.398,46.025) v1@163.551,46.025 ; R9.1@177.571,52.908 R9.1@177.571,52.984 ; R9.1@177.611,52.908 R9.1@177.611,53.01 ; DS2.14@277.887,5.131 277.887,12.061 v3(277.89,12.065) ; DS2.4@382.843,5.055 383.3,5.512 v3(383.3,12.217)
  Bottom Layer w1: v3(49.773,12.065) 49.9,12.192 v3(154.827,12.192) 383.275,12.192 v3(383.3,12.217) ; 154.853,28.143 154.853,20.472 154.853,17.54 v1(154.884,17.54) ; 154.889,36.881 154.889,43.942 156.972,46.025 v1(163.398,46.025) ; 154.915,37.541 154.915,28.194 154.965,28.143
CE: J1.3 P2.2 U5.3 | length 143.5
  Top Layer w0.4: P2.2@6.274,109.144 6.274,107.645 9.754,104.165 9.754,97.231 14.478,92.507 J1.3@31.801,92.507 ; v2(122.631,77.419) 122.631,74.092 124.003,72.72 U5.3@127.686,72.72
  Bottom Layer w0.4: J1.3@31.699,92.532 32.995,91.237 77.445,91.237 91.237,77.445 122.606,77.445 v2(122.631,77.419)
CSN: J1.4 P2.3 U5.2 | length 142
  Top Layer w0.4: P2.3@7.544,109.144 7.544,107.34 10.408,104.477 10.408,97.974 14.58,93.802 33.096,93.802 J1.4@34.239,92.659 ; v2(123.673,78.359) 123.723,78.308 123.723,74.498 124.714,73.508 U5.2@127.686,73.508
  Bottom Layer w0.4: J1.4@34.239,92.532 78.181,92.532 92.38,78.334 123.698,78.334 v2(123.673,78.359)
D: DS1.3 DS1.13 DS2.3 DS2.13 R6.1 | length 431.5
  Top Layer w0.5: v1(163.576,44.171) 182.601,44.171 185.053,46.623 185.053,52.592 R6.1@185.053,52.781
  Top Layer w1: DS1.13@54.726,5.283 55.132,5.69 v3(55.132,14.707) ; v1(159.842,17.551) 159.868,17.526 159.868,14.351 v3@159.944,14.275 ; v3@159.907,14.199 159.907,5.207 DS1.3@160.161,4.953 ; R6.1@185.046,52.774 R6.1@185.053,52.781 ; R6.1@185.053,52.592 R6.1@185.141,52.68 ; DS2.13@282.967,5.131 v3@282.967,14.228 ; v3(387.898,14.275) 387.898,5.131 DS2.3@388.025,5.004
  Bottom Layer w1: v3@55.132,14.3 v3@387.872,14.3 ; v1(159.842,17.551) 159.817,17.551 159.791,17.577 159.791,42.266 161.696,44.171 v1(163.576,44.171)
  other v3: 159.958,14.199 282.869,14.326
DACL: U6.9
DACR: C32.1 U6.10 | length 13
  Top Layer w0.508: U6.10@354.914,79.781 C32.1@367.69,79.781 ; C32.1@367.614,79.858 C32.1@367.69,79.781 ; C32.1@367.716,79.756 C32.1@367.69,79.781 ; C32.1@367.767,79.781 C32.1@367.69,79.781
E: DS1.2 DS1.12 DS2.2 DS2.12 R5.1 | length 438.4
  Top Layer w0.5: v1(164.668,37.922) 168.885,37.922 ; 168.91,37.948 185.293,37.948 188.965,41.62 R5.1@188.965,52.959
  Top Layer w1: v3(59.781,16.281) 59.781,5.334 DS1.12@59.958,5.156 ; 164.683,16.485 164.683,5.563 DS1.2@165.114,5.131 ; v1(164.694,17.501) 164.694,16.51 164.719,16.485 ; DS2.12@288.047,5.131 v3@288.047,16.209 ; DS2.2@393.156,5.029 DS2.2@393.232,5.105 ; DS2.2@393.232,5.131 v3(393.232,16.307)
  Bottom Layer w0.5: v1@164.668,37.795 v1(164.668,37.922)
  Bottom Layer w1: v3@59.857,16.18 164.683,16.18 ; v1(164.694,17.501) v1@164.683,17.501 ; v1@164.719,37.846 164.668,37.795 164.643,37.77 164.643,20.396 164.643,17.501 v1@164.683,17.501 ; v3@393.105,16.18 164.683,16.18 ; 164.683,16.18 v1@164.683,17.501
  other v3: 287.974,16.281
F: DS1.9 DS1.19 DS2.9 DS2.19 R4.1 | length 403.2
  Top Layer w1: v3(59.908,131.089) 59.908,134.569 DS1.19@59.984,134.645 ; v3(164.911,131.166) 164.911,134.595 DS1.9@165.064,134.747 ; R4.1@185.155,80.62 v3(185.155,131.115) ; DS2.19@288.177,134.595 287.974,134.391 v3(287.974,131.191) 294.578,131.191 300.801,137.414 392.622,137.414 393.257,136.779 DS2.9@393.257,134.468
  Bottom Layer w1: v3(59.908,131.089) 59.933,131.115 v3@164.911,131.115 ; v3(164.911,131.166) v3@164.911,131.115 ; v3(287.974,131.191) 287.898,131.115 266.09,131.115 262.026,135.179 223.585,135.179 223.088,135.179 214.416,135.179 210.352,131.115 v3(185.155,131.115) v3@164.911,131.115
G: DS1.10 DS1.20 DS2.10 DS2.20 R3.1 | length 407.3
  Top Layer w1: DS1.20@64.886,134.468 64.886,137.389 66.47,138.972 v3@188.99,138.972 ; DS1.10@170.194,134.671 170.194,138.633 ; R3.1@188.965,80.62 v3(188.965,138.659) 188.965,138.947 v3@188.99,138.972 ; 292.902,138.887 293.127,138.662 DS2.20@293.127,134.671 ; DS2.10@398.261,134.696 398.261,137.947 397.236,138.972 v3@188.99,138.972